# EAGLE board Mk4 Final a Panel score 2x5 (EAGLE 9.0.1), part 10 of 29 (continued)
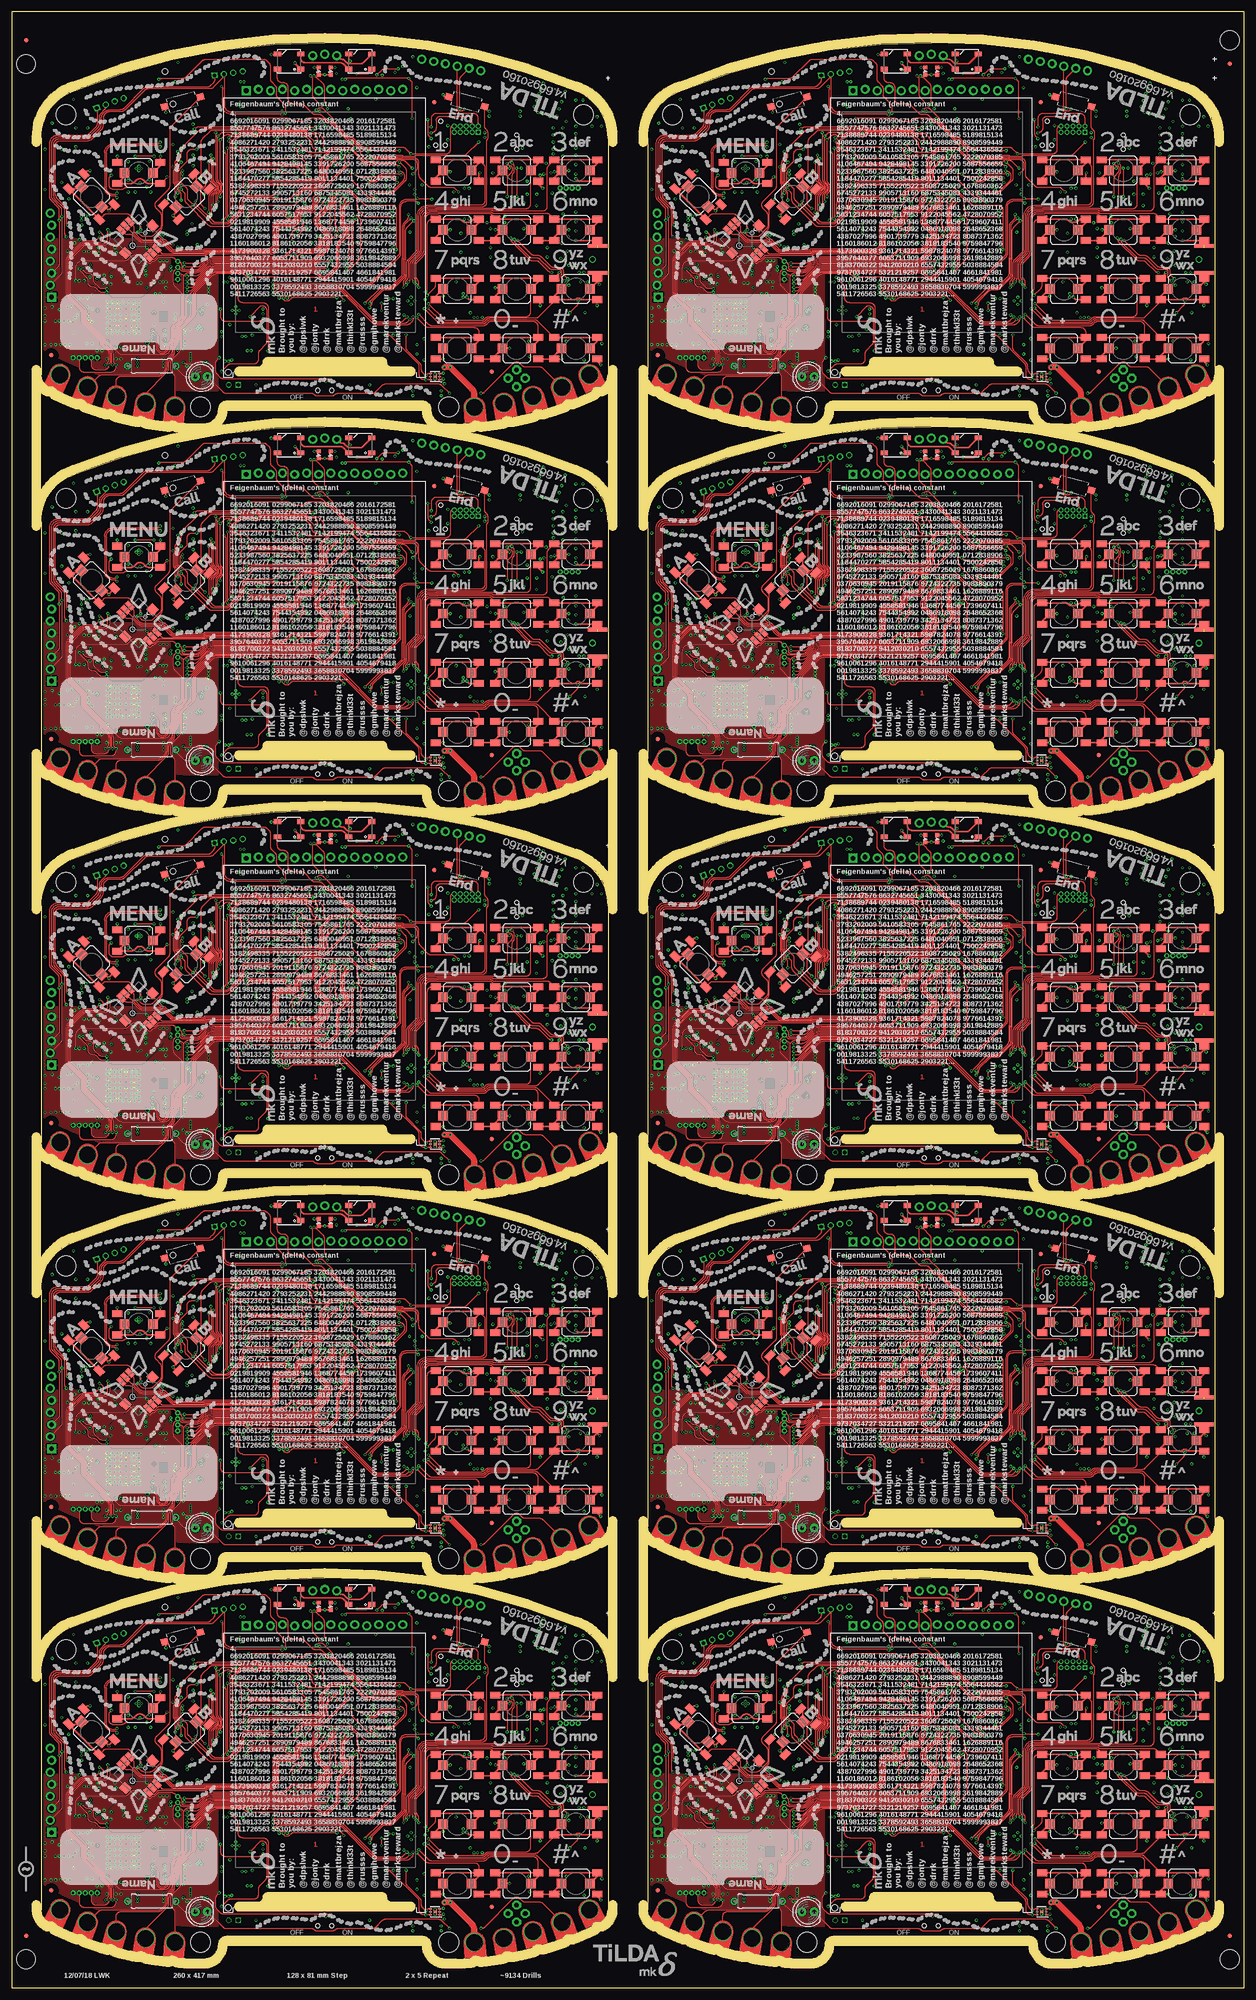
[diagram p0: board, top side]
## Tracks (layer width: path | path; a pad name or v marks a point on that pad's centre or on a via) (continued)
  Top 0.3: S176.2 111.05,347.55 S176.B2 S176.B1 | S176.B1 101.75,348.25 101.5,348 101.7,348 S176.B1
  Bottom 0.15: IC157.13 85.5,353.5 v85.85,353.15
BTN_104  (via drill 0.3)
  Top 0.2: S178.B1 113.49,374.21 arc45 112.79,374.5 101.58,374.5 arc-45 101.44,374.56 arc45 100.73,374.85 89.89,374.85 89.81,374.77 88.25,374.77 arc90 87,373.52 87,366.97 arc-45 86.41,365.56 85.19,364.34 arc45 84.9,363.63 84.9,361.09 arc45 85.19,360.38 arc-45 85.35,360.01 85.35,359.77 85.3,359.72 v85.3,359.4
  Top 0.3: S178.2 123.55,372.55 S178.B2 S178.B1
  Bottom 0.15: IC157.5 85,358.69 arc-45 v85.29,359.39 v85.3,359.4
BTN_105  (via drill 0.3)
  Top 0.2: v87.8,354.5 90.46,351.84 arc45 91.16,351.55 99.23,351.55 arc45 99.94,351.84 100.1,352.01 arc-45 100.81,352.3 110.39,352.3 arc45 111.09,352.59 114.45,355.95 S179.B2
  Top 0.3: S179.2 114.45,356.95 S179.B2 118.9,356.25 119.25,356.6 119.75,356.6 120.1,356.25 S179.B1
  Bottom 0.15: IC157.11 86.64,355.25 arc-45 87.34,354.96 v87.8,354.5
BTN_106  (via drill 0.3)
  Top 0.2: S180.B1 111.04,351.66 arc45 110.34,351.95 100.95,351.95 arc45 100.25,351.66 100.08,351.49 arc-45 99.38,351.2 90.61,351.2 arc-45 89.91,351.49 v87.05,354.35
  Top 0.3: S180.2 123.26,347.26 arc45 123.55,347.96 S180.B2 S180.B1
  Bottom 0.15: IC157.12 86.65,354.75 v87.05,354.35
BTN_107  (via drill 0.3)
  Top 0.2: S170.B1 88.7,373.25 arc90 87.7,372.25 87.7,361.2 87.7,361 87.7,358.71 arc-45 87.41,358.01 v87.3,357.9
  Top 0.3: S170.2 98.55,372.55 S170.B2 97.76,373.25 arc45 97.06,372.96 96.89,372.8 arc-45 96.54,372.65 95.46,372.65 arc-45 95.11,372.8 94.94,372.96 arc45 94.24,373.25 S170.B1
  Bottom 0.15: IC157.7 86.65,357.25 v87.3,357.9
BTN_108  (via drill 0.3)
  Top 0.2: v87.63,357.17 89.16,358.7 arc45 89.45,359.4 S171.B1
  Top 0.3: S171.2 98.55,360.05 S171.B2 S171.B1
  Bottom 0.15: IC157.8 86.97,356.75 87.02,356.8 arc45 87.43,356.97 v87.63,357.17
BTN_109  (via drill 0.3)
  Top 0.2: S190.B2 227.61,384.69 arc-45 227.9,383.99 227.9,377.25 arc-90 226.9,376.25 217.31,376.25 217.24,376.18 215.8,376.18 arc90 213.55,373.93 213.55,367.09 arc-45 213.26,366.38 211.62,364.74 arc45 211.32,364.04 211.32,361.31 arc-45 211.03,360.61 210.94,360.52 arc45 210.65,359.81 v210.65,358.85
  Top 0.3: S190.2 226.55,385.05 S190.B2 S190.B1
  Bottom 0.15: IC175.1 211,358.42 arc45 210.94,358.56 v210.65,358.85
BTN_110  (via drill 0.3)
  Top 0.2: S194.2 237.5,376.5 arc-90 236.5,375.5 229.49,375.5 229.44,375.55 217.6,375.55 217.53,375.48 216,375.48 arc90 214.25,373.73 214.25,367.01 arc-45 213.81,365.95 212.39,364.53 arc45 212.1,363.82 212.1,360.81 arc-45 211.81,360.11 v211.7,360
  Top 0.3: S194.2 239.05,385.05 S194.B2 S194.B1
  Bottom 0.15: IC175.3 212,359.29 arc45 v211.71,359.99 v211.7,360
BTN_111  (via drill 0.3)
  Top 0.2: S198.B1 241.29,384.59 arc45 241,383.89 241,376 arc-90 240,375 229.57,375 arc-45 229.43,375.06 229.35,375.14 arc45 229.21,375.2 217.75,375.2 217.67,375.12 216.1,375.12 arc90 214.6,373.62 214.6,366.96 arc-45 214.09,365.73 212.79,364.43 arc45 212.5,363.73 212.5,360.71 arc45 v212.79,360.01 v212.8,360
  Top 0.3: S198.2 251.55,385.05 S198.B2 S198.B1
  Bottom 0.15: IC175.4 212.5,359.29 arc-45 v212.79,359.99 v212.8,360
BTN_112  (via drill 0.3)
  Top 0.2: S193.B2 226.55,349.4 arc90 225.55,350.4 215.91,350.4 arc-45 215.21,350.69 v213.4,352.5
  Top 0.3: S193.2 226.55,347.55 S193.B2 S193.B1
  Bottom 0.15: IC175.14 213,353.31 arc45 213.15,352.95 213.26,352.84 arc-45 v213.4,352.5
BTN_113  (via drill 0.3)
  Top 0.2: S195.B1 229.95,373.55 229.29,374.21 arc45 228.59,374.5 218.03,374.5 217.96,374.43 216.35,374.43 arc90 215.35,373.43 215.35,366.93 arc-45 214.69,365.34 213.59,364.24 arc45 213.3,363.54 213.3,361.19 arc45 213.59,360.48 arc-45 213.85,359.86 v213.85,358.85
  Top 0.3: S195.2 239.05,372.55 S195.B2 S195.B1
  Bottom 0.15: IC175.6 213.5,358.29 arc-45 213.65,358.65 v213.85,358.85
BTN_114  (via drill 0.3)
  Top 0.2: S196.2 237.5,353.7 arc-90 236.5,352.7 228.71,352.7 arc45 228.01,352.41 227.79,352.19 arc-45 227.09,351.9 221.7,351.9 219.81,351.9 arc-45 219.11,352.19 v215.9,355.4
  Top 0.3: S196.2 239.05,360.05 S196.B2 S196.B1
  Bottom 0.15: IC175.10 215.01,355.75 215.03,355.73 215.16,355.73 arc-45 215.87,355.43 v215.9,355.4
BTN_115  (via drill 0.3)
  Top 0.2: S197.B2 239.05,350.6 arc90 238.05,351.6 229.11,351.6 arc45 228.41,351.31 228.19,351.09 arc-45 227.49,350.8 216.61,350.8 arc-45 215.91,351.09 v213.85,353.15
  Top 0.3: S197.2 239.05,347.55 S197.B2 S197.B1 | S197.B1 229.75,348.25 229.5,348 229.7,348 S197.B1
  Bottom 0.15: IC175.13 213.5,353.5 v213.85,353.15
BTN_116  (via drill 0.3)
  Top 0.2: S199.B1 241.49,374.21 arc45 240.79,374.5 229.58,374.5 arc-45 229.44,374.56 arc45 228.73,374.85 217.89,374.85 217.81,374.77 216.25,374.77 arc90 215,373.52 215,366.97 arc-45 214.41,365.56 213.19,364.34 arc45 212.9,363.63 212.9,361.09 arc45 213.19,360.38 arc-45 213.35,360.01 213.35,359.77 213.3,359.72 v213.3,359.4
  Top 0.3: S199.2 251.55,372.55 S199.B2 S199.B1
  Bottom 0.15: IC175.5 213,358.69 arc-45 v213.29,359.39 v213.3,359.4
BTN_117  (via drill 0.3)
  Top 0.2: v215.8,354.5 218.46,351.84 arc45 219.16,351.55 227.23,351.55 arc45 227.94,351.84 228.1,352.01 arc-45 228.81,352.3 238.39,352.3 arc45 239.09,352.59 242.45,355.95 S200.B2
  Top 0.3: S200.2 242.45,356.95 S200.B2 246.9,356.25 247.25,356.6 247.75,356.6 248.1,356.25 S200.B1
  Bottom 0.15: IC175.11 214.64,355.25 arc-45 215.34,354.96 v215.8,354.5
BTN_118  (via drill 0.3)
  Top 0.2: S201.B1 239.04,351.66 arc45 238.34,351.95 228.95,351.95 arc45 228.25,351.66 228.08,351.49 arc-45 227.38,351.2 218.61,351.2 arc-45 217.91,351.49 v215.05,354.35
  Top 0.3: S201.2 251.26,347.26 arc45 251.55,347.96 S201.B2 S201.B1
  Bottom 0.15: IC175.12 214.65,354.75 v215.05,354.35
BTN_119  (via drill 0.3)
  Top 0.2: S191.B1 216.7,373.25 arc90 215.7,372.25 215.7,361.2 215.7,361 215.7,358.71 arc-45 215.41,358.01 v215.3,357.9
  Top 0.3: S191.2 226.55,372.55 S191.B2 225.76,373.25 arc45 225.06,372.96 224.9,372.8 arc-45 224.54,372.65 223.46,372.65 arc-45 223.1,372.8 222.94,372.96 arc45 222.24,373.25 S191.B1
  Bottom 0.15: IC175.7 214.65,357.25 v215.3,357.9
BTN_120  (via drill 0.3)
  Top 0.2: v215.63,357.17 217.16,358.7 arc45 217.45,359.4 S192.B1
  Top 0.3: S192.2 226.55,360.05 S192.B2 S192.B1
  Bottom 0.15: IC175.8 214.97,356.75 215.02,356.8 arc45 215.43,356.97 v215.63,357.17
BTN_A  (via drill 0.3)
  Top 0.15: v55,33.4 55.81,34.21 arc-45 56.51,34.5 68.98,34.5 arc-45 69.87,34.13 76.43,27.57 arc45 77.32,27.2 82.69,27.2 arc45 83.39,27.49 v84,28.1 | S13.B1 19.34,50.11 arc-45 20.05,50.4 24.19,50.4 arc-45 24.89,50.11 26.91,48.09 arc-45 27.2,47.39 v27.2,47
  Top 0.3: S13.2 14.18,55.63 S13.B2 S13.B1
  Bottom 0.15: IC4.16 v84,28.1 | v55,33.4 54.81,33.4 arc-45 54.11,33.69 51.99,35.81 arc45 51.11,36.17 50.19,36.17 arc-45 49.31,36.54 45.72,40.13 arc45 44.83,40.5 37.75,40.5 arc-45 37.61,40.56 37.4,40.77 arc45 37.26,40.83 36.72,40.83 arc-45 35.83,41.19 34.09,42.93 arc45 33.21,43.3 30.94,43.3 arc-45 30.23,43.59 29.29,44.53 arc45 28.41,44.9 28.2,44.9 arc-90 27.2,45.9 v27.2,47
BTN_A1  (via drill 0.3)
  Top 0.15: v183,33.4 183.81,34.21 arc-45 184.51,34.5 196.98,34.5 arc-45 197.87,34.13 204.43,27.57 arc45 205.32,27.2 210.69,27.2 arc45 211.39,27.49 v212,28.1 | S35.B1 147.34,50.11 arc-45 148.05,50.4 152.19,50.4 arc-45 152.89,50.11 154.91,48.09 arc-45 155.2,47.39 v155.2,47
  Top 0.3: S35.2 142.18,55.63 S35.B2 S35.B1
  Bottom 0.15: IC31.16 v212,28.1 | v183,33.4 182.81,33.4 arc-45 182.11,33.69 179.99,35.81 arc45 179.11,36.17 178.19,36.17 arc-45 177.31,36.54 173.72,40.13 arc45 172.83,40.5 165.75,40.5 arc-45 165.61,40.56 165.4,40.77 arc45 165.26,40.83 164.72,40.83 arc-45 163.83,41.19 162.09,42.93 arc45 161.21,43.3 158.94,43.3 arc-45 158.23,43.59 157.29,44.53 arc45 156.41,44.9 156.2,44.9 arc-90 155.2,45.9 v155.2,47
BTN_A2  (via drill 0.3)
  Top 0.15: v55,114.4 55.81,115.21 arc-45 56.51,115.5 68.98,115.5 arc-45 69.87,115.13 76.43,108.57 arc45 77.32,108.2 82.69,108.2 arc45 83.39,108.49 v84,109.1 | S56.B1 19.34,131.11 arc-45 20.05,131.4 24.19,131.4 arc-45 24.89,131.11 26.91,129.09 arc-45 27.2,128.39 v27.2,128
  Top 0.3: S56.2 14.18,136.63 S56.B2 S56.B1
  Bottom 0.15: IC49.16 v84,109.1 | v55,114.4 54.81,114.4 arc-45 54.11,114.69 51.99,116.81 arc45 51.11,117.17 50.19,117.17 arc-45 49.31,117.54 45.72,121.13 arc45 44.83,121.5 37.75,121.5 arc-45 37.61,121.56 37.4,121.77 arc45 37.26,121.83 36.72,121.83 arc-45 35.83,122.19 34.09,123.93 arc45 33.21,124.3 30.94,124.3 arc-45 30.23,124.59 29.29,125.53 arc45 28.41,125.9 28.2,125.9 arc-90 27.2,126.9 v27.2,128
BTN_A3  (via drill 0.3)
  Top 0.15: v183,114.4 183.81,115.21 arc-45 184.51,115.5 196.98,115.5 arc-45 197.87,115.13 204.43,108.57 arc45 205.32,108.2 210.69,108.2 arc45 211.39,108.49 v212,109.1 | S77.B1 147.34,131.11 arc-45 148.05,131.4 152.19,131.4 arc-45 152.89,131.11 154.91,129.09 arc-45 155.2,128.39 v155.2,128
  Top 0.3: S77.2 142.18,136.63 S77.B2 S77.B1
  Bottom 0.15: IC67.16 v212,109.1 | v183,114.4 182.81,114.4 arc-45 182.11,114.69 179.99,116.81 arc45 179.11,117.17 178.19,117.17 arc-45 177.31,117.54 173.72,121.13 arc45 172.83,121.5 165.75,121.5 arc-45 165.61,121.56 165.4,121.77 arc45 165.26,121.83 164.72,121.83 arc-45 163.83,122.19 162.09,123.93 arc45 161.21,124.3 158.94,124.3 arc-45 158.23,124.59 157.29,125.53 arc45 156.41,125.9 156.2,125.9 arc-90 155.2,126.9 v155.2,128
BTN_A4  (via drill 0.3)
  Top 0.15: v55,195.4 55.81,196.21 arc-45 56.51,196.5 68.98,196.5 arc-45 69.87,196.13 76.43,189.57 arc45 77.32,189.2 82.69,189.2 arc45 83.39,189.49 v84,190.1 | S98.B1 19.34,212.11 arc-45 20.05,212.4 24.19,212.4 arc-45 24.89,212.11 26.91,210.09 arc-45 27.2,209.39 v27.2,209
  Top 0.3: S98.2 14.18,217.63 S98.B2 S98.B1
  Bottom 0.15: IC85.16 v84,190.1 | v55,195.4 54.81,195.4 arc-45 54.11,195.69 51.99,197.81 arc45 51.11,198.18 50.19,198.18 arc-45 49.31,198.54 45.72,202.13 arc45 44.83,202.5 37.75,202.5 arc-45 37.61,202.56 37.4,202.77 arc45 37.26,202.82 36.72,202.82 arc-45 35.83,203.19 34.09,204.93 arc45 33.21,205.3 30.94,205.3 arc-45 30.23,205.59 29.29,206.53 arc45 28.41,206.9 28.2,206.9 arc-90 27.2,207.9 v27.2,209
BTN_A5  (via drill 0.3)
  Top 0.15: v183,195.4 183.81,196.21 arc-45 184.51,196.5 196.98,196.5 arc-45 197.87,196.13 204.43,189.57 arc45 205.32,189.2 210.69,189.2 arc45 211.39,189.49 v212,190.1 | S119.B1 147.34,212.11 arc-45 148.05,212.4 152.19,212.4 arc-45 152.89,212.11 154.91,210.09 arc-45 155.2,209.39 v155.2,209
  Top 0.3: S119.2 142.18,217.63 S119.B2 S119.B1
  Bottom 0.15: IC103.16 v212,190.1 | v183,195.4 182.81,195.4 arc-45 182.11,195.69 179.99,197.81 arc45 179.11,198.18 178.19,198.18 arc-45 177.31,198.54 173.72,202.13 arc45 172.83,202.5 165.75,202.5 arc-45 165.61,202.56 165.4,202.77 arc45 165.26,202.82 164.72,202.82 arc-45 163.83,203.19 162.09,204.93 arc45 161.21,205.3 158.94,205.3 arc-45 158.23,205.59 157.29,206.53 arc45 156.41,206.9 156.2,206.9 arc-90 155.2,207.9 v155.2,209
BTN_A6  (via drill 0.3)
  Top 0.15: v55,276.4 55.81,277.21 arc-45 56.51,277.5 68.98,277.5 arc-45 69.87,277.13 76.43,270.57 arc45 77.32,270.2 82.69,270.2 arc45 83.39,270.49 v84,271.1 | S140.B1 19.34,293.11 arc-45 20.05,293.4 24.19,293.4 arc-45 24.89,293.11 26.91,291.09 arc-45 27.2,290.39 v27.2,290
  Top 0.3: S140.2 14.18,298.63 S140.B2 S140.B1
  Bottom 0.15: IC121.16 v84,271.1 | v55,276.4 54.81,276.4 arc-45 54.11,276.69 51.99,278.81 arc45 51.11,279.18 50.19,279.18 arc-45 49.31,279.54 45.72,283.13 arc45 44.83,283.5 37.75,283.5 arc-45 37.61,283.56 37.4,283.77 arc45 37.26,283.82 36.72,283.82 arc-45 35.83,284.19 34.09,285.93 arc45 33.21,286.3 30.94,286.3 arc-45 30.23,286.59 29.29,287.53 arc45 28.41,287.9 28.2,287.9 arc-90 27.2,288.9 v27.2,290
BTN_A7  (via drill 0.3)
  Top 0.15: v183,276.4 183.81,277.21 arc-45 184.51,277.5 196.98,277.5 arc-45 197.87,277.13 204.43,270.57 arc45 205.32,270.2 210.69,270.2 arc45 211.39,270.49 v212,271.1 | S161.B1 147.34,293.11 arc-45 148.05,293.4 152.19,293.4 arc-45 152.89,293.11 154.91,291.09 arc-45 155.2,290.39 v155.2,290
  Top 0.3: S161.2 142.18,298.63 S161.B2 S161.B1
  Bottom 0.15: IC139.16 v212,271.1 | v183,276.4 182.81,276.4 arc-45 182.11,276.69 179.99,278.81 arc45 179.11,279.18 178.19,279.18 arc-45 177.31,279.54 173.72,283.13 arc45 172.83,283.5 165.75,283.5 arc-45 165.61,283.56 165.4,283.77 arc45 165.26,283.82 164.72,283.82 arc-45 163.83,284.19 162.09,285.93 arc45 161.21,286.3 158.94,286.3 arc-45 158.23,286.59 157.29,287.53 arc45 156.41,287.9 156.2,287.9 arc-90 155.2,288.9 v155.2,290
BTN_A8  (via drill 0.3)
  Top 0.15: v55,357.4 55.81,358.21 arc-45 56.51,358.5 68.98,358.5 arc-45 69.87,358.13 76.43,351.57 arc45 77.32,351.2 82.69,351.2 arc45 83.39,351.49 v84,352.1 | S182.B1 19.34,374.11 arc-45 20.05,374.4 24.19,374.4 arc-45 24.89,374.11 26.91,372.09 arc-45 27.2,371.39 v27.2,371
  Top 0.3: S182.2 14.18,379.63 S182.B2 S182.B1
  Bottom 0.15: IC157.16 v84,352.1 | v55,357.4 54.81,357.4 arc-45 54.11,357.69 51.99,359.81 arc45 51.11,360.18 50.19,360.18 arc-45 49.31,360.54 45.72,364.13 arc45 44.83,364.5 37.75,364.5 arc-45 37.61,364.56 37.4,364.77 arc45 37.26,364.82 36.72,364.82 arc-45 35.83,365.19 34.09,366.93 arc45 33.21,367.3 30.94,367.3 arc-45 30.23,367.59 29.29,368.53 arc45 28.41,368.9 28.2,368.9 arc-90 27.2,369.9 v27.2,371
BTN_A9  (via drill 0.3)
  Top 0.15: v183,357.4 183.81,358.21 arc-45 184.51,358.5 196.98,358.5 arc-45 197.87,358.13 204.43,351.57 arc45 205.32,351.2 210.69,351.2 arc45 211.39,351.49 v212,352.1 | S203.B1 147.34,374.11 arc-45 148.05,374.4 152.19,374.4 arc-45 152.89,374.11 154.91,372.09 arc-45 155.2,371.39 v155.2,371
  Top 0.3: S203.2 142.18,379.63 S203.B2 S203.B1
  Bottom 0.15: IC175.16 v212,352.1 | v183,357.4 182.81,357.4 arc-45 182.11,357.69 179.99,359.81 arc45 179.11,360.18 178.19,360.18 arc-45 177.31,360.54 173.72,364.13 arc45 172.83,364.5 165.75,364.5 arc-45 165.61,364.56 165.4,364.77 arc45 165.26,364.82 164.72,364.82 arc-45 163.83,365.19 162.09,366.93 arc45 161.21,367.3 158.94,367.3 arc-45 158.23,367.59 157.29,368.53 arc45 156.41,368.9 156.2,368.9 arc-90 155.2,369.9 v155.2,371
BTN_B  (via drill 0.3)
  Top 0.15: v83.4,28.6 82.59,27.79 arc-45 81.89,27.5 77.41,27.5 arc-45 76.71,27.79 70.09,34.41 arc45 69.03,34.85 56.06,34.85 arc45 55.36,34.56 v55,34.2 | S15.B2 37.52,57.9 v36,57.9 | v33,53.5 arc-45 32.92,53.3 S15.B1 31.8,52.18 31.8,47.82 arc-45 31.43,46.93 30.86,46.36 arc90 30.86,45.65 31.41,45.1 arc45 31.77,44.95 32.14,44.95 arc-45 32.5,44.8 33.21,44.09 arc45 33.91,43.8 v34,43.8
  Top 0.3: S15.2 38.92,58.31 S15.B2
  Bottom 0.15: IC4.17 83.5,28.7 v83.4,28.6 | v55,34.2 54.44,34.2 arc-45 53.73,34.49 52.19,36.04 arc45 51.13,36.48 50.22,36.48 arc-45 49.51,36.77 45.91,40.36 arc45 44.85,40.8 37.87,40.8 arc-45 37.73,40.86 37.52,41.07 arc45 37.38,41.12 36.79,41.12 arc-45 36.08,41.42 34.15,43.35 arc-45 34,43.71 v34,43.8 | v36,57.9 33.29,55.19 arc45 33,54.49 v33,53.5
BTN_B1  (via drill 0.3)
  Top 0.15: v211.4,28.6 210.59,27.79 arc-45 209.89,27.5 205.41,27.5 arc-45 204.71,27.79 198.09,34.41 arc45 197.03,34.85 184.06,34.85 arc45 183.36,34.56 v183,34.2 | S34.B2 165.52,57.9 v164,57.9 | v161,53.5 arc-45 160.92,53.3 S34.B1 159.8,52.18 159.8,47.82 arc-45 159.43,46.93 158.86,46.36 arc90 158.86,45.65 159.41,45.1 arc45 159.76,44.95 160.14,44.95 arc-45 160.5,44.8 161.21,44.09 arc45 161.91,43.8 v162,43.8
  Top 0.3: S34.2 166.92,58.31 S34.B2
  Bottom 0.15: IC31.17 211.5,28.7 v211.4,28.6 | v183,34.2 182.44,34.2 arc-45 181.73,34.49 180.19,36.04 arc45 179.13,36.48 178.22,36.48 arc-45 177.51,36.77 173.92,40.36 arc45 172.85,40.8 165.87,40.8 arc-45 165.73,40.86 165.53,41.07 arc45 165.38,41.12 164.79,41.12 arc-45 164.08,41.42 162.15,43.35 arc-45 162,43.71 v162,43.8 | v164,57.9 161.29,55.19 arc45 161,54.49 v161,53.5
BTN_B2  (via drill 0.3)
  Top 0.15: v83.4,109.6 82.59,108.79 arc-45 81.89,108.5 77.41,108.5 arc-45 76.71,108.79 70.09,115.41 arc45 69.03,115.85 56.06,115.85 arc45 55.36,115.56 v55,115.2 | S55.B2 37.52,138.9 v36,138.9 | v33,134.5 arc-45 32.92,134.3 S55.B1 31.8,133.18 31.8,128.82 arc-45 31.43,127.93 30.86,127.36 arc90 30.86,126.65 31.41,126.1 arc45 31.77,125.95 32.14,125.95 arc-45 32.5,125.8 33.21,125.09 arc45 33.91,124.8 v34,124.8
  Top 0.3: S55.2 38.92,139.31 S55.B2
  Bottom 0.15: IC49.17 83.5,109.7 v83.4,109.6 | v55,115.2 54.44,115.2 arc-45 53.73,115.49 52.19,117.04 arc45 51.13,117.47 50.22,117.47 arc-45 49.51,117.77 45.91,121.36 arc45 44.85,121.8 37.87,121.8 arc-45 37.73,121.86 37.52,122.07 arc45 37.38,122.12 36.79,122.12 arc-45 36.08,122.42 34.15,124.35 arc-45 34,124.71 v34,124.8 | v36,138.9 33.29,136.19 arc45 33,135.49 v33,134.5
BTN_B3  (via drill 0.3)
  Top 0.15: v211.4,109.6 210.59,108.79 arc-45 209.89,108.5 205.41,108.5 arc-45 204.71,108.79 198.09,115.41 arc45 197.03,115.85 184.06,115.85 arc45 183.36,115.56 v183,115.2 | S76.B2 165.52,138.9 v164,138.9 | v161,134.5 arc-45 160.92,134.3 S76.B1 159.8,133.18 159.8,128.82 arc-45 159.43,127.93 158.86,127.36 arc90 158.86,126.65 159.41,126.1 arc45 159.76,125.95 160.14,125.95 arc-45 160.5,125.8 161.21,125.09 arc45 161.91,124.8 v162,124.8
  Top 0.3: S76.2 166.92,139.31 S76.B2
  Bottom 0.15: IC67.17 211.5,109.7 v211.4,109.6 | v183,115.2 182.44,115.2 arc-45 181.73,115.49 180.19,117.04 arc45 179.13,117.47 178.22,117.47 arc-45 177.51,117.77 173.92,121.36 arc45 172.85,121.8 165.87,121.8 arc-45 165.73,121.86 165.53,122.07 arc45 165.38,122.12 164.79,122.12 arc-45 164.08,122.42 162.15,124.35 arc-45 162,124.71 v162,124.8 | v164,138.9 161.29,136.19 arc45 161,135.49 v161,134.5
BTN_B4  (via drill 0.3)
  Top 0.15: v83.4,190.6 82.59,189.79 arc-45 81.89,189.5 77.41,189.5 arc-45 76.71,189.79 70.09,196.41 arc45 69.03,196.85 56.06,196.85 arc45 55.36,196.56 v55,196.2 | S97.B2 37.52,219.9 v36,219.9 | v33,215.5 arc-45 32.92,215.3 S97.B1 31.8,214.18 31.8,209.82 arc-45 31.43,208.93 30.86,208.36 arc90 30.86,207.65 31.41,207.1 arc45 31.77,206.95 32.14,206.95 arc-45 32.5,206.8 33.21,206.09 arc45 33.91,205.8 v34,205.8
  Top 0.3: S97.2 38.92,220.31 S97.B2
  Bottom 0.15: IC85.17 83.5,190.7 v83.4,190.6 | v55,196.2 54.44,196.2 arc-45 53.73,196.49 52.19,198.04 arc45 51.13,198.47 50.22,198.47 arc-45 49.51,198.77 45.91,202.36 arc45 44.85,202.8 37.87,202.8 arc-45 37.73,202.86 37.52,203.07 arc45 37.38,203.12 36.79,203.12 arc-45 36.08,203.42 34.15,205.35 arc-45 34,205.71 v34,205.8 | v36,219.9 33.29,217.19 arc45 33,216.49 v33,215.5
BTN_B5  (via drill 0.3)
  Top 0.15: v211.4,190.6 210.59,189.79 arc-45 209.89,189.5 205.41,189.5 arc-45 204.71,189.79 198.09,196.41 arc45 197.03,196.85 184.06,196.85 arc45 183.36,196.56 v183,196.2 | S118.B2 165.52,219.9 v164,219.9 | v161,215.5 arc-45 160.92,215.3 S118.B1 159.8,214.18 159.8,209.82 arc-45 159.43,208.93 158.86,208.36 arc90 158.86,207.65 159.41,207.1 arc45 159.76,206.95 160.14,206.95 arc-45 160.5,206.8 161.21,206.09 arc45 161.91,205.8 v162,205.8
  Top 0.3: S118.2 166.92,220.31 S118.B2
  Bottom 0.15: IC103.17 211.5,190.7 v211.4,190.6 | v183,196.2 182.44,196.2 arc-45 181.73,196.49 180.19,198.04 arc45 179.13,198.47 178.22,198.47 arc-45 177.51,198.77 173.92,202.36 arc45 172.85,202.8 165.87,202.8 arc-45 165.73,202.86 165.53,203.07 arc45 165.38,203.12 164.79,203.12 arc-45 164.08,203.42 162.15,205.35 arc-45 162,205.71 v162,205.8 | v164,219.9 161.29,217.19 arc45 161,216.49 v161,215.5
BTN_B6  (via drill 0.3)
  Top 0.15: v83.4,271.6 82.59,270.79 arc-45 81.89,270.5 77.41,270.5 arc-45 76.71,270.79 70.09,277.41 arc45 69.03,277.85 56.06,277.85 arc45 55.36,277.56 v55,277.2 | S139.B2 37.52,300.9 v36,300.9 | v33,296.5 arc-45 32.92,296.3 S139.B1 31.8,295.18 31.8,290.82 arc-45 31.43,289.93 30.86,289.36 arc90 30.86,288.65 31.41,288.1 arc45 31.77,287.95 32.14,287.95 arc-45 32.5,287.8 33.21,287.09 arc45 33.91,286.8 v34,286.8
  Top 0.3: S139.2 38.92,301.31 S139.B2
  Bottom 0.15: IC121.17 83.5,271.7 v83.4,271.6 | v55,277.2 54.44,277.2 arc-45 53.73,277.49 52.19,279.04 arc45 51.13,279.48 50.22,279.48 arc-45 49.51,279.77 45.91,283.36 arc45 44.85,283.8 37.87,283.8 arc-45 37.73,283.86 37.52,284.07 arc45 37.38,284.12 36.79,284.12 arc-45 36.08,284.42 34.15,286.35 arc-45 34,286.71 v34,286.8 | v36,300.9 33.29,298.19 arc45 33,297.49 v33,296.5
BTN_B7  (via drill 0.3)
  Top 0.15: v211.4,271.6 210.59,270.79 arc-45 209.89,270.5 205.41,270.5 arc-45 204.71,270.79 198.09,277.41 arc45 197.03,277.85 184.06,277.85 arc45 183.36,277.56 v183,277.2 | S160.B2 165.52,300.9 v164,300.9 | v161,296.5 arc-45 160.92,296.3 S160.B1 159.8,295.18 159.8,290.82 arc-45 159.43,289.93 158.86,289.36 arc90 158.86,288.65 159.41,288.1 arc45 159.76,287.95 160.14,287.95 arc-45 160.5,287.8 161.21,287.09 arc45 161.91,286.8 v162,286.8
  Top 0.3: S160.2 166.92,301.31 S160.B2
  Bottom 0.15: IC139.17 211.5,271.7 v211.4,271.6 | v183,277.2 182.44,277.2 arc-45 181.73,277.49 180.19,279.04 arc45 179.13,279.48 178.22,279.48 arc-45 177.51,279.77 173.92,283.36 arc45 172.85,283.8 165.87,283.8 arc-45 165.73,283.86 165.53,284.07 arc45 165.38,284.12 164.79,284.12 arc-45 164.08,284.42 162.15,286.35 arc-45 162,286.71 v162,286.8 | v164,300.9 161.29,298.19 arc45 161,297.49 v161,296.5
BTN_B8  (via drill 0.3)
  Top 0.15: v83.4,352.6 82.59,351.79 arc-45 81.89,351.5 77.41,351.5 arc-45 76.71,351.79 70.09,358.41 arc45 69.03,358.85 56.06,358.85 arc45 55.36,358.56 v55,358.2 | S181.B2 37.52,381.9 v36,381.9 | v33,377.5 arc-45 32.92,377.3 S181.B1 31.8,376.18 31.8,371.82 arc-45 31.43,370.93 30.86,370.36 arc90 30.86,369.65 31.41,369.1 arc45 31.77,368.95 32.14,368.95 arc-45 32.5,368.8 33.21,368.09 arc45 33.91,367.8 v34,367.8
  Top 0.3: S181.2 38.92,382.31 S181.B2
  Bottom 0.15: IC157.17 83.5,352.7 v83.4,352.6 | v55,358.2 54.44,358.2 arc-45 53.73,358.49 52.19,360.04 arc45 51.13,360.48 50.22,360.48 arc-45 49.51,360.77 45.91,364.36 arc45 44.85,364.8 37.87,364.8 arc-45 37.73,364.86 37.52,365.07 arc45 37.38,365.12 36.79,365.12 arc-45 36.08,365.42 34.15,367.35 arc-45 34,367.71 v34,367.8 | v36,381.9 33.29,379.19 arc45 33,378.49 v33,377.5
BTN_B9  (via drill 0.3)
  Top 0.15: v211.4,352.6 210.59,351.79 arc-45 209.89,351.5 205.41,351.5 arc-45 204.71,351.79 198.09,358.41 arc45 197.03,358.85 184.06,358.85 arc45 183.36,358.56 v183,358.2 | S202.B2 165.52,381.9 v164,381.9 | v161,377.5 arc-45 160.92,377.3 S202.B1 159.8,376.18 159.8,371.82 arc-45 159.43,370.93 158.86,370.36 arc90 158.86,369.65 159.41,369.1 arc45 159.76,368.95 160.14,368.95 arc-45 160.5,368.8 161.21,368.09 arc45 161.91,367.8 v162,367.8
  Top 0.3: S202.2 166.92,382.31 S202.B2
  Bottom 0.15: IC175.17 211.5,352.7 v211.4,352.6 | v183,358.2 182.44,358.2 arc-45 181.73,358.49 180.19,360.04 arc45 179.13,360.48 178.22,360.48 arc-45 177.51,360.77 173.92,364.36 arc45 172.85,364.8 165.87,364.8 arc-45 165.73,364.86 165.53,365.07 arc45 165.38,365.12 164.79,365.12 arc-45 164.08,365.42 162.15,367.35 arc-45 162,367.71 v162,367.8 | v164,381.9 161.29,379.19 arc45 161,378.49 v161,377.5
BTN_CALL  (via drill 0.3)
  Top 0.15: v84.65,28.6 84.65,28.26 arc-45 84.36,27.56 83.99,27.19 arc-45 83.29,26.9 77.22,26.9 arc-45 76.16,27.34 69.59,33.91 arc45 68.89,34.2 57.01,34.2 arc45 56.31,33.91 v55.8,33.4 | S16.2 33.86,69.1 arc45 33.27,67.69 33.27,56.19 arc-45 32.98,55.48 30.46,52.96 arc90 30.46,51.54 31.21,50.79 arc-45 31.5,50.09 31.5,47.91 arc-45 31.21,47.21 29.79,45.79 arc-45 29.08,45.49 28.02,45.49 arc-45 27.31,45.79 v26.6,46.5
  Bottom 0.15: IC4.15 84.5,28.75 v84.65,28.6 | v55.8,33.4 55.38,32.98 arc-90 54.32,32.98 51.72,35.58 arc45 51.01,35.88 50.17,35.88 arc-45 49.11,36.31 45.52,39.91 arc45 44.81,40.2 37.62,40.2 arc-45 37.48,40.26 37.28,40.47 arc45 37.14,40.52 36.7,40.52 arc-45 35.64,40.96 33.89,42.71 arc45 33.19,43 30.92,43 arc-45 30.03,43.37 29.09,44.31 arc45 28.39,44.6 27.85,44.6 arc-90 26.6,45.85 v26.6,46.5
BTN_CALL1  (via drill 0.3)
  Top 0.15: v212.65,28.6 212.65,28.26 arc-45 212.36,27.56 211.99,27.19 arc-45 211.29,26.9 205.22,26.9 arc-45 204.16,27.34 197.59,33.91 arc45 196.89,34.2 185.01,34.2 arc45 184.31,33.91 v183.8,33.4 | S37.2 161.86,69.1 arc45 161.28,67.69 161.28,56.19 arc-45 160.98,55.48 158.46,52.96 arc90 158.46,51.54 159.21,50.79 arc-45 159.5,50.09 159.5,47.91 arc-45 159.21,47.21 157.79,45.79 arc-45 157.08,45.49 156.02,45.49 arc-45 155.31,45.79 v154.6,46.5
  Bottom 0.15: IC31.15 212.5,28.75 v212.65,28.6 | v183.8,33.4 183.38,32.98 arc-90 182.32,32.98 179.72,35.58 arc45 179.01,35.88 178.17,35.88 arc-45 177.11,36.31 173.52,39.91 arc45 172.81,40.2 165.62,40.2 arc-45 165.48,40.26 165.28,40.47 arc45 165.13,40.52 164.7,40.52 arc-45 163.64,40.96 161.89,42.71 arc45 161.19,43 158.92,43 arc-45 158.03,43.37 157.09,44.31 arc45 156.39,44.6 155.85,44.6 arc-90 154.6,45.85 v154.6,46.5
BTN_CALL2  (via drill 0.3)
  Top 0.15: v84.65,109.6 84.65,109.26 arc-45 84.36,108.56 83.99,108.19 arc-45 83.29,107.9 77.22,107.9 arc-45 76.16,108.34 69.59,114.91 arc45 68.89,115.2 57.01,115.2 arc45 56.31,114.91 v55.8,114.4 | S58.2 33.86,150.1 arc45 33.27,148.69 33.27,137.19 arc-45 32.98,136.48 30.46,133.96 arc90 30.46,132.54 31.21,131.79 arc-45 31.5,131.09 31.5,128.91 arc-45 31.21,128.21 29.79,126.79 arc-45 29.08,126.49 28.02,126.49 arc-45 27.31,126.79 v26.6,127.5